# Allegro board visualscope011.brd (continued)
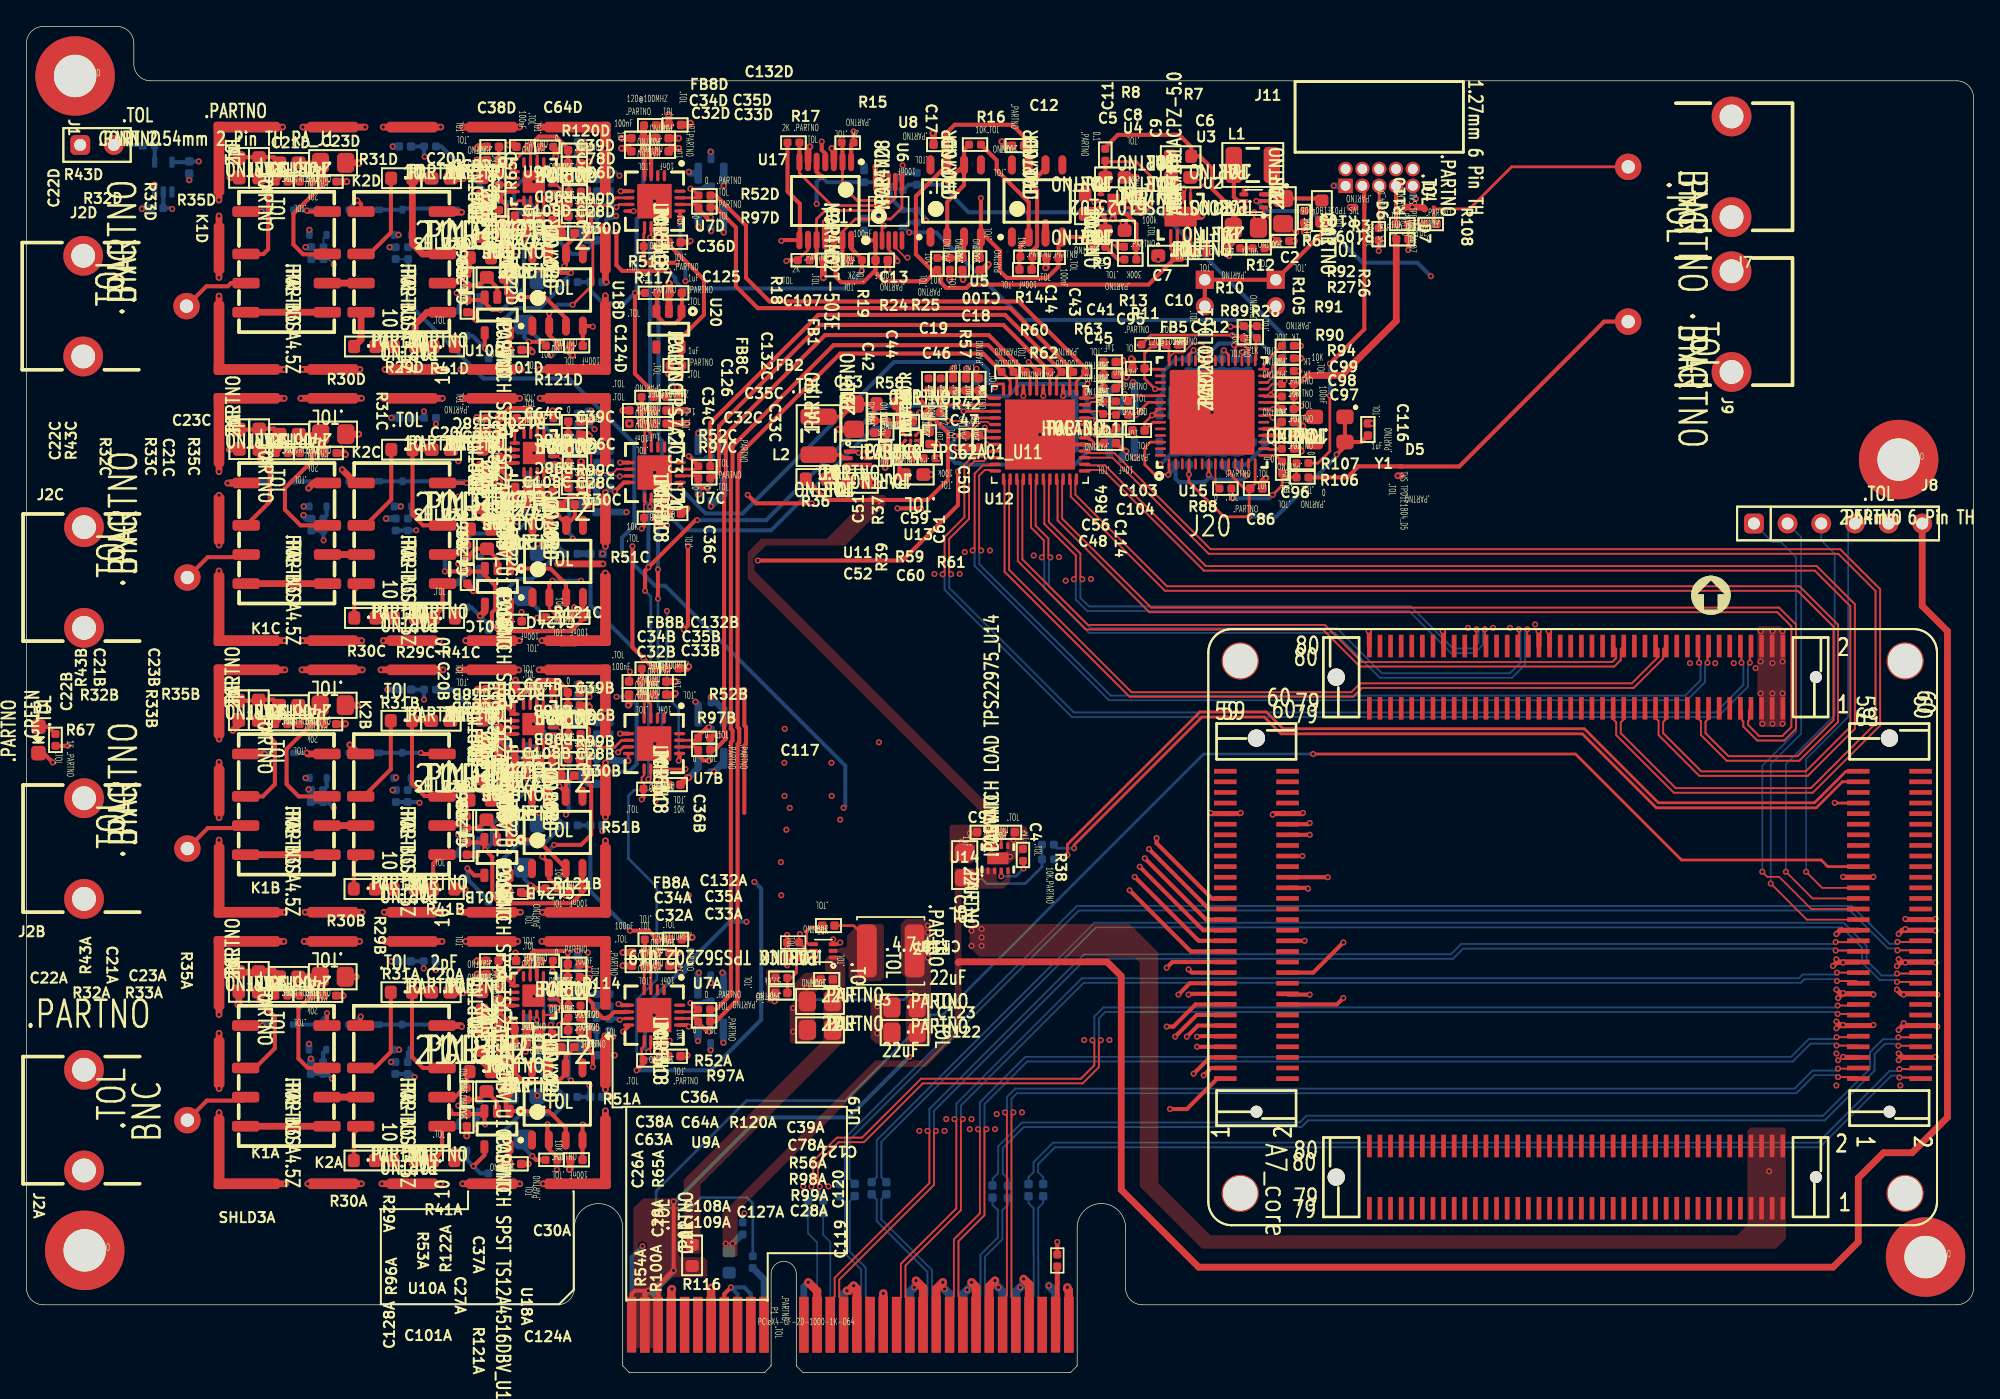
[diagram p0: board, top side]
## Routing (per net, layer and track width the routed paths; a pad name or vN(x,y) marks a point on that pad's centre or on a via; arc(x,y) is an arc through that point) (continued)
SYNC1: length 17.2
  TOP w0.203: J7.1 112.09,91.01 108.91,87.83 D4.1 106.22,86.92 R108.1
SYNC2: length 2.9
  TOP w0.305: J11.7 D7.1 103.37,86.71 R109.1
TCK: length 32.3
  TOP w0.127: J20.J3_37 135.53,36.58 v1(134.31,37.79)
  BOTTOM w0.127: v1(134.31,37.79) 134.31,46.3 137.49,49.48 137.49,63.58 J8.4
TDI: length 36.3
  TOP w0.127: v1(131.65,36.91) 134.37,34.18 J20.J3_31
  BOTTOM w0.127: J8.2 133.93,63.07 133.93,48.21 131.65,45.92 v1(131.65,36.91)
TDO: length 34.5
  TOP w0.127: v1(132.79,37.79) 134.8,35.78 J20.J3_35
  BOTTOM w0.127: v1(132.79,37.79) 132.79,45.92 136.47,49.61 136.47,61.8 135.46,62.81 J8.3
TERM_1: length 64.4
  TOP w0.305: v1(88.09,22.55) 89.32,23.78 J20.J1_5
  PWR4 w0.305: v1(88.09,22.55) 87.2,21.67 46.3,21.67 45.54,22.43 42.37,22.43 41.85,22.95 29.93,22.95 v1(29.29,22.3)
  BOTTOM w0.305: v1(29.29,22.3) 29.05,22.54 R48A.2 R50A.2
TERM_2: length 69.1
  TOP w0.305: v1(87.71,28.52) 87.77,28.58 J20.J1_17
  PWR4 w0.305: v1(87.71,28.52) 87.2,28.02 84.02,28.02 83.07,28.97 83.07,29.1 76.28,35.89 60.91,35.89 57.61,39.19 43.89,39.19 42.49,40.59 38.25,40.59 35.84,43 v1(29.67,43)
  BOTTOM w0.305: R50B.2 R48B.2 29.61,43.06 v1(29.67,43)
TERM_3: length 77.1
  TOP w0.305: J20.J1_29 88.81,33.38 v1(84.02,38.18)
  PWR4 w0.305: v1(84.02,38.18) 78.05,44.14 49.99,44.14 46.74,47.4 44.2,47.4 41.22,50.37 41.22,51.98 35.53,57.67 35.53,59.49 31.44,63.58 v1(29.41,63.58)
  BOTTOM w0.305: v1(29.41,63.58) 28.81,63.58 R48C.2 R50C.2
TERM_4: length 94
  TOP w0.305: J20.J1_27 90.47,32.59 88.47,32.59 v1(83.64,37.41)
  PWR4 w0.305: v1(83.64,37.41) 78.43,42.62 v1(61.67,42.62)
  BOTTOM w0.127: R50D.2 R48D.2
  BOTTOM w0.305: v1(61.67,42.62) 61.8,42.75 61.8,45.8 48.21,59.38 47.45,59.38 44.95,61.89 44.95,63 45.87,63.93 45.87,70.1 40.94,75.03 34.49,75.03 28.8,80.72 R48D.2
TEST: length 1.8
  TOP w0.127: 93.66,72.23 93.67,72.21 93.93,72.21
  TOP w0.203: v1(94.06,72.08) 93.91,72.23 U15.21
  BOTTOM w0.305: v1(94.06,72.08) 94.41,71.73 R111.2
TMS: length 37.4
  TOP w0.127: v1(131.01,37.79) 131.39,37.41 132.28,37.41 134.71,34.98 J20.J3_33
  BOTTOM w0.127: J8.1 131.77,62.69 132.41,62.69 133.55,61.54 133.55,48.34 131.01,45.8 v1(131.01,37.79)
TRIM1: length 84.7
  TOP w0.305: U17.1 62.24,92.65 R15.1 v1(62.43,93.67)
  PWR3 w0.203: v1(43.03,25.96) 43.03,40.68 43.02,40.69 43.02,66.6 42.8,66.82 42.8,69.09 43.13,69.42 43.13,70.43 43.89,71.2 43.89,80.47 44.14,80.72 44.14,81.23 44.27,81.36 44.27,83.31 45.24,84.28 45.24,84.96 47.95,87.68 51.37,87.68 53.08,89.39 53.08,89.43 57.71,94.06 62.04,94.06 v1(62.43,93.67)
  BOTTOM w0.127: FB7A.1 v1(43.03,25.96)
  BOTTOM w0.305: FB7A.1 43.03,24.89 C131A.1
TRIM2: length 64.5
  TOP w0.305: R17.1 57.44,89.15 58.37,88.21 58.37,85.51 U17.8 57.03,85.48 v1(56.97,85.42)
  PWR3 w0.305: v1(56.97,85.42) 56.08,84.53 48.08,84.53 44.53,80.97 44.53,72.97 44.27,72.72 44.27,67.39 44.91,66.75 44.91,65.99 44.65,65.73 44.65,51.13 v1(44.53,51)
  BOTTOM w0.305: v1(44.53,51) 45.52,51 46.05,50.47 46.05,45.92 45.48,45.35 C131B.1 43.01,46.29 FB7B.1
TRIM3: length 40.4
  TOP w0.203: R18.1 58.99,84.74 U17.9
  TOP w0.305: R18.1 57.42,83.96 v1(57.35,83.9) ; v1(59.26,65.61) 55.07,65.61 v1(54.43,66.24)
  PWR3 w0.305: v1(57.35,83.9) 59.26,81.99 v1(59.26,65.61)
  PWR4 w0.305: v1(54.43,66.24) 54.43,66.6 53.39,67.64 49.48,67.64 48.97,67.13 43.38,67.13 v1(43.26,67)
  BOTTOM w0.127: v1(43.26,67) 43.03,66.78 FB7C.1
  BOTTOM w0.508: C131C.1 FB7C.1
TRIM4: length 27.7
  TOP w0.305: v1(63.05,83.15) R19.1 63.05,84.04 62.24,84.85 U17.14 ; v1(44.53,86.05) 44.53,83.58 44.96,83.15 v1(48.44,83.15)
  BOTTOM w0.305: v1(48.44,83.15) 48.97,82.63 48.97,82.37 49.52,81.83 61.72,81.83 v1(63.05,83.15) ; v1(44.53,86.05) 43.51,86.05 43.26,86.31 43.09,86.31 C131D.1 43.05,86.4 FB7D.1
VOUT1: length 7.8
  TOP w0.203: U17.2 61.59,89.57 62.69,88.47 63.96,88.47 64.57,89.09 U6.9
  TOP w0.305: R15.2 61.59,92.78 U17.2
VOUT2: length 11.5
  TOP w0.203: U6.8 65.07,88.7 64.46,88.09 60.78,88.09 58.34,90.53 U17.7
  TOP w0.305: U17.7 R17.2
VOUT3: length 11.1
  TOP w0.203: U6.7 65.57,88.69 64.59,87.71 60.27,87.71 59.64,87.07 59.64,86.82 59.64,86.81 U17.10
  TOP w0.305: R18.2 59.64,84.48 U17.10
VOUT4: length 9.6
  TOP w0.203: U6.6 66.07,87.92 65.23,87.07 62.56,87.07 61.59,86.1 U17.13
  TOP w0.305: R19.2 62.04,83.96 61.59,84.42 U17.13
N00005: length 1.6
  TOP w0.203: C96.1 94.3,69.23 U15.15
N00009: length 7
  TOP w0.305: 94.53,88.93 C2.2 97.61,88.62 R3.1 ; 94.53,88.93 U2.3 ; 94.53,88.93 93.99,89.47 L1.1
N00011: length 2.3
  TOP w0.203: U13.B1 66.73,69.08 R59.1
  TOP w0.305: R59.1 R61.2
N00013: length 2.9
  TOP w0.203: R59.2 65.89,69.92 U13.A1
  TOP w0.305: R59.2 65.89,68.13 C60.2
N00017: length 3.3
  TOP w0.305: U2.5 91.43,88.43 91.12,88.73 L1.2
N00021: length 1.6
  TOP w0.305: C99.1 94.21,71.23 U15.19
N00027: length 1.1
  TOP w0.203: C4.2 73.57,40.68 U14.6
N00055: length 0.9
  TOP w0.305: R10.1 R12.2
N00061: length 4.1
  TOP w0.152: R105.2 93.84,85.96 93.84,87.05 93.36,87.53 U2.1
  TOP w0.305: R12.1 93.85,84.86 R105.2
N00069: length 96.8
  TOP w0.203: U12.48 73.74,74.62 73.32,74.62 73.1,74.4 v1(73.1,74.37)
  TOP w0.305: U7D.13 v1(49.32,86.85) ; v1(49.35,66.75) 49.33,66.77 U7C.13 ; v1(49.99,26.11) 49.87,26.22 U7A.13 ; U7B.13 49.3,46.25 v1(49.22,46.18)
  PWR3 w0.305: v1(49.73,82.37) 49.73,73.65 49.35,73.27 v1(49.35,66.75) ; v1(49.99,26.11) 49.3,26.8 49.3,29.86 49.73,30.3 49.73,30.81 49.71,30.84 49.71,31.93 49.22,32.41 v1(49.22,46.18)
  PWR4 w0.305: v1(49.35,66.75) 49.35,58.5 v1(48.34,57.48)
  BOTTOM w0.203: v1(48.34,57.48) 48.34,51 49.22,50.11 v1(49.22,46.18)
  BOTTOM w0.305: v1(49.73,82.37) 49.73,83.85 49.35,84.23 49.35,86.82 v1(49.32,86.85) ; v1(73.1,74.37) 72.62,74.85 C134.2 72.56,75.68 71.96,76.28 65.48,76.28 54.05,64.85 51.26,64.85 v1(49.35,66.75)
N00071: length 2.8
  TOP w0.203: U19.4 59.01,32.33 58.88,32.46 58.88,33.35 59.13,33.6 59.94,33.6 C117.2
N00073: length 1.8
  TOP w0.203: 62.69,33.48 62.43,33.73 C117.1
N00081: length 4.3
  TOP w0.203: C118.1 57.43,29.78 R113.1 57.73,29.79 58.11,30.17 58.11,31.12 R114.2 58.32,31.33 U19.6
N00103: length 1.2
  TOP w0.305: C9.1 83.95,87.97 83.49,88.43 U4.7
N00105: length 1
  TOP w0.305: C9.2 83.94,88.93 U4.8
N00107: length 1.4
  TOP w0.305: U4.3 80.98,87.93 80.97,87.92 80.93,87.92 80.85,87.83 80.28,87.83 C11.2
N00109: length 3.8
  TOP w0.305: U4.5 83.03,87.43 83.77,86.69 83.77,85.01 R13.2 83.74,84.04 R11.1
N00125: length 11.3
  TOP w0.203: 81.43,91.46 81.5,91.39 83.77,91.39 84.91,90.25 84.91,88.04 84.29,87.42 83.65,87.42 83.42,87.65 83.42,87.76 83.26,87.93 U4.6
  TOP w0.305: U4.1 81.09,89.87 C8.2 81.43,91.46 R8.2
N00131: length 4.4
  TOP w0.305: U4.4 81.43,87.09 C5.2 81.43,84.98 R9.1 82.39,84.01 R11.2
N00141: length 10.7
  TOP w0.152: U3.5 87.86,89.3 88,89.43 88.59,89.43 88.96,89.8 88.96,90.72 88.64,91.04 86.37,91.04 86.31,90.98
  TOP w0.203: U3.8 86.36,90.18 C6.2 86.86,89.73 U3.7
  TOP w0.305: C6.2 86.31,90.28 R7.2
N00175: length 1.3
  BOTTOM w0.305: U1.4 9.67,92.6 R1.2
N00189: length 2
  TOP w0.127: U15.8 89.73,67.03 R88.1
N00205: length 46.1
  TOP w0.203: v1(90.88,78.94) 91.84,78.94 R89.1 R28.2
  TOP w0.305: J20.J1_48 96.85,40.58 v1(96.85,40.59)
  PWR3 w0.305: v1(96.85,40.59) 97.28,40.59 97.75,41.06 97.75,44.26 94.56,47.45 94.56,67.64 92.66,69.54 92.66,78.18 91.9,78.94 v1(90.88,78.94)
N00207: length 62.6
  TOP w0.127: 70.34,73.05 70.78,73.05
  TOP w0.203: R42.1 69.55,73.05 70.34,73.05 70.37,73.02 70.75,73.02 70.78,73.05 U12.2
  TOP w0.305: v1(96.85,41.48) 96.76,41.38 J20.J1_50 ; R42.1 68.95,73.31 v1(68.78,73.48) ; v1(67.51,65.23) v1(65.73,65.23)
  PWR3 w0.305: v1(68.78,73.48) 68.15,72.85 68.15,69.04 67.51,68.4 v1(67.51,65.23) ; v1(96.85,41.48) 97.12,41.74 97.12,43.5 95.07,45.54 92.79,45.54 81.86,56.46 71.32,56.46 65.73,62.05 v1(65.73,65.23)
N00213: length 1.4
  TOP w0.203: U3.4 87.86,84.82 C10.2
N00223: length 4.6
  TOP w0.305: R36.2 60.69,67.16 C52.2 U11.3 U11.4
N00225: length 2.2
  BOTTOM w0.305: J1.2 8.72,92.66 R1.1
N00227: length 2.4
  TOP w0.305: L2.1 61.42,69.28 61.69,69.01 U11.2
N00253: length 64.2
  TOP w0.203: R110.2 R109.2 R108.2
  TOP w0.305: R110.2 v1(104.29,84.73) ; J20.J1_18 95.24,28.52 v1(96.85,28.52)
  PWR3 w0.305: v1(96.85,28.52) 104.29,35.96 v1(104.29,84.73)
N00257: length 3.8
  TOP w0.203: U11.5 64,69.01 R39.2
  TOP w0.305: R39.2 64.96,69.97 R37.1 64.92,70.93 C51.1
N00285: length 3
  TOP w0.203: C59.2 65.96,71.11 U13.A2 U13.B2
  TOP w0.305: C59.2 65.76,71.97 R58.2
N00319: length 4.6
  BOTTOM w0.508: P1.A11 55.67,7.03 R84.2
N00321: length 8.7
  BOTTOM w0.127: C40.1 60.12,10.39 60.67,9.84 P1.A14
N00323: length 8.7
  BOTTOM w0.127: C79.1 58.98,10.52 59.67,9.83 P1.A13
N00365: length 1.5
  TOP w0.305: D1.2 1.63,48.75 R67.1
N00501: length 5.9
  TOP w0.305: C125.2 49.47,80.13 U20.1 49.44,79.66 48.98,79.2 48.15,79.2 47.54,79.81 U20.3 47.58,80.14 R117.2
N00543: length 3.5
  TOP w0.305: U8.3 70.76,84.27 C19.2 70.63,84.13 R25.2 R24.1
N00579: length 11.2
  TOP w0.305: R16.2 73.23,91.5 73.23,90.75 75.64,88.34 U5.2 75.01,85.08 R14.1 74.94,84.14 C100.2

## Copper pours and planes (outline as drawn; the poured copper is in the pictures)
+3V3 on TOP: 73.1,39.57 72.21,39.57 72.08,39.7 72.08,40.33 72.34,40.59 72.34,41.99 54.43,59.89 54.43,61.92 55.45,62.94 60.4,62.94 63.7,66.24 64.72,66.24 64.85,66.12 64.85,65.48 61.8,62.43 55.83,62.43 54.94,61.54 54.94,60.53 73.1,42.37
+3V3_IN on TOP: 74.24,38.18 74.24,37.03 73.74,36.52 70.69,36.52 70.56,36.4 70.56,25.73 67.89,23.06 64.59,23.06 53.67,12.14 53.67,8.84 53.54,8.71 52.65,8.71 52.53,8.84 52.53,12.01 64.08,23.57 67.77,23.57 70.05,25.86 70.05,38.05 73.1,38.05 73.23,37.92 73.23,37.16 73.35,37.03 73.61,37.03 73.99,37.41 73.99,38.05 74.12,38.18
+3V3_IN on BOTTOM: 52.53,9.98 53.54,9.98 53.67,9.85 53.67,8.97 53.42,8.71 52.53,8.71 52.4,8.84 52.4,9.85
+3V3_PCIE on BOTTOM: 54.81,2.87 54.81,6.81 53.54,8.08 52.65,8.08 52.4,7.82 52.4,6.93 53.42,5.92 53.42,3 53.8,2.62 54.56,2.62
+5V2 on TOP: 56.84,30.3 56.84,28.02 56.72,27.89 55.96,27.89 55.83,28.02 55.83,30.3 55.96,30.43 56.72,30.43
+5V2 on TOP: 66.37,34.24 67.77,34.24 68.27,33.73 68.27,24.97 67.89,24.59 66.5,24.59 66.37,24.71 66.37,29.79 65.99,30.17 65.99,33.86
+5V2 on TOP: 132.79,10.11 132.03,9.35 88.72,9.35 84.02,14.05 84.02,30.94 83.64,31.32 71.96,31.32 71.2,32.08 71.2,33.6 71.45,33.86 83.26,33.86 85.42,31.7 85.42,14.3 89.36,10.36 129.11,10.36 129.87,11.12 129.87,18.24 130.12,18.49 132.66,18.49 132.79,18.36
+5V2 on BOTTOM: 67.64,34.37 72.34,34.37 72.72,33.98 72.72,31.44 72.21,30.94 67.77,30.94 67.64,31.06
+12V on TOP: 50.88,9.09 50.88,14.17 61.8,25.09 61.8,31.06 61.42,31.44 60.53,31.44 60.27,31.19 60.27,30.3 60.53,30.05 60.53,29.03 60.15,28.65 60.15,25.09 49.61,14.55 49.61,9.09 49.73,8.97 50.75,8.97
+12V_PCIE on TOP: 47.95,1.85 47.95,6.43 48.72,7.19 51.26,7.19 51.38,7.31 51.38,8.46 51.13,8.71 49.35,8.71 49.22,8.84 49.22,12.9 48.97,13.16 46.56,13.16 45.8,12.39 45.8,1.85
GND on TOP: 74.24,41.1 74.24,40.33 73.99,40.08 73.99,39.45 73.74,39.19 72.85,39.19 72.59,38.94 72.59,38.56 72.72,38.43 74.24,38.43 75.01,39.19 75.39,39.19 75.51,39.32 75.51,41.1 75.39,41.22 74.37,41.22
GND on TOP: 72.08,41.22 72.08,40.59 71.58,40.08 71.58,38.68 71.32,38.43 69.8,38.43 69.67,38.56 69.67,41.22 69.8,41.35 71.96,41.35
GND on TOP: 64.21,28.65 65.48,28.65 65.86,28.27 65.86,25.09 65.61,24.84 64.08,24.84 63.7,25.22 63.7,28.14
GND on TOP: 58.75,30.17 60.02,30.17 60.27,29.92 60.27,29.41 59.51,28.65 59.51,25.35 59,24.84 57.73,24.84 57.61,24.97 57.61,27.63 57.99,28.02 57.99,29.41
GND on TOP: 130.76,56.34 132.41,56.34 132.79,55.96 132.79,48.97 132.54,48.72 130.89,48.72 130.76,48.84 130.76,51 130.63,51.13 130.63,56.21
GND on GND2, GND5: 0.51,100.33 0.73,100.87 1.27,101.09 6.83,101.09 7.37,100.87 7.59,100.33 7.59,98.77 8.11,97.51 9.37,96.99 145.68,96.99 146.22,96.77 146.44,96.23 146.44,6.38 146.22,5.84 145.68,5.62 84.22,5.62 83.68,5.84 83.46,6.38 83.46,10.93 81.14,13.26 78.79,10.96 78.79,0.71 78.59,0.51 58.81,0.51 58.61,0.71 58.61,7.45 57.15,8.91 55.69,7.45 55.69,0.71 55.49,0.51 45.71,0.51 45.51,0.71 45.51,10.93 43.17,13.26 40.84,10.93 40.84,6.38 40.62,5.84 40.08,5.62 1.27,5.62 0.73,5.84 0.51,6.38
N00073 on TOP: 64.59,33.86 62.81,33.86 61.92,32.97 61.92,32.21 61.8,32.08 61.42,32.08 61.29,31.95 60.53,31.95 60.53,31.7 61.42,31.7 62.05,31.06 62.05,29.79 62.31,29.54 64.46,29.54 64.72,29.79 64.72,33.73

## Text on the board
User.15: TDI | J1 | D1 | C23D | C27C | K2C | U10C | U9C | R54C | U7A | U17 | R68 | L1 | U15 | J11 | Y1 | J8 | D7 | GND | SYNC | CLK IN/OUT | TDO | MH1 | U6 | U13 | U12 | U4 | U3 | L3 | U19 | P1 | COMP | TCK | TMS | VREF
User.16: CH3_P | PGA_CS2 | - | +VUSB | U1 | FB10D | Q5C | D3C | R124C | TP43 | C134 | C40 | TP5 | CPL4 | + | CH4_N | PLL | TP50 | CH2_N | ATTEN4 | TRIM3 | ATTEN3 | ATTEN2 | ATTEN1 | TERM4 | TERM3 | TERM2 | TERM1 | CPL3 | CPL2 | CPL1 | LDO | +5V | PGA_CS4 | +3V3_PGA | +3V3_IN | CH2_P | CH3_N | CH1_N | CH1_P | CH4_P | +3V3_PCIe | PERSTn | +3V3 | BUCK | SDA_5V | SCL_5V | +1V92 | +1V8 | VCM | +3V3_M2 | SPI_SDO | CP_IN | CLK_N | -5V | CP_OUT | +5V2 | PGOOD | +2V5 | BST_IN | FE_EN | GND | ACQ_EN | TRIM4 | TRIM2 | TRIM1 | PGA_CS1 | PGA_CS3 | SDA | SCL | ADC_CS | +VBIAS | SPI_SCK | -VBIAS | +12V | BUCK_IN | CLK_P | FAN
